# Altium PCB e-puck3-coreboard.PcbDoc (part 4 of 7) (continued)
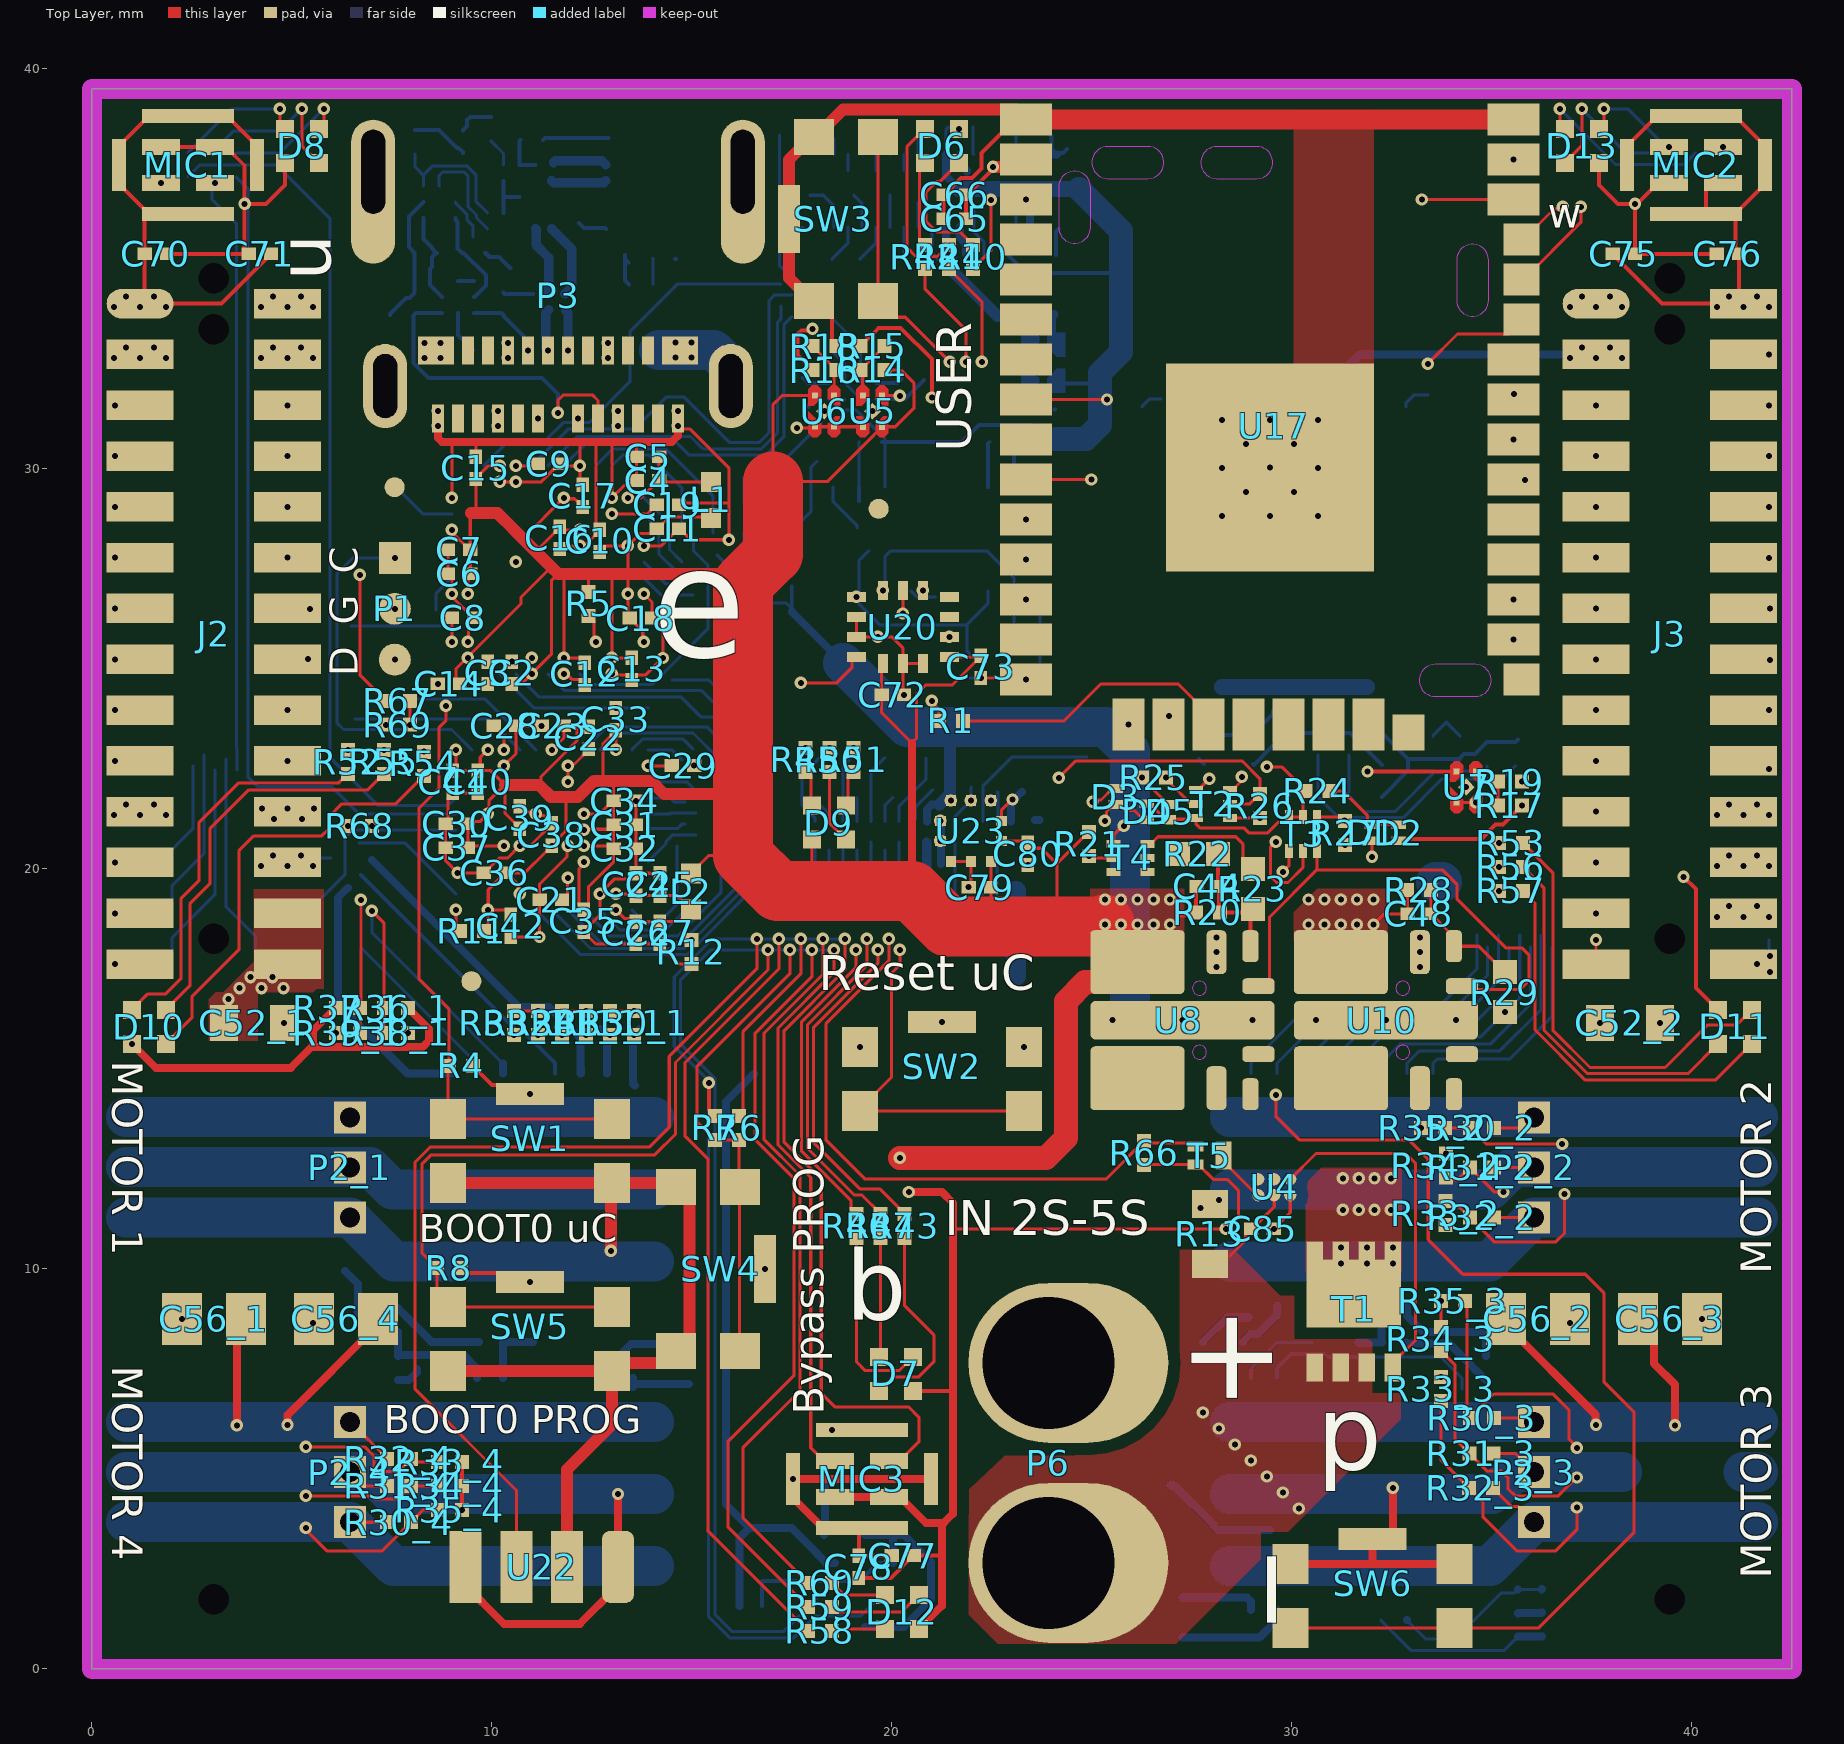
[diagram p0: Top Layer view]
## Nets (pads, with @x,y where several pads share a name; then routed paths per layer and width w, separated by ;. In a path a pad name is that pad's centre, name@x,y a point inside that pad or via, vN(x,y) a via of type N, cw(c..) or ccw(c..) an arc to the next point about the centre after c; other vN are vias at no path point) (continued)
  other v2: 8.25,3.465 8.65,3.465 9.05,3.465 9.45,3.465 9.85,3.465 10.25,3.465 10.646,3.465 31.85,3.465 32.25,3.465 32.65,3.465 33.05,3.465 33.45,3.465 33.85,3.465 34.246,3.465 18.047,4.743 18.647,4.743 18.331,5.15 8.25,5.265 8.65,5.265 9.05,5.265 9.45,5.265 9.85,5.265 10.25,5.265 10.646,5.265 31.85,5.265 32.25,5.265 32.65,5.265 33.05,5.265 33.45,5.265 33.85,5.265 34.246,5.265 18.047,5.543 18.647,5.543 18.047,6.443 18.647,6.443 18.331,6.85 18.047,7.243 18.647,7.243 11.575,7.265 0.55,7.37 1.209,7.37 1.85,7.37 4.233,7.37 4.892,7.37 5.533,7.37 36.95,7.37 37.608,7.37 38.25,7.37 40.633,7.37 41.291,7.37 41.933,7.37 0.85,7.635 1.55,7.635 4.533,7.635 5.233,7.635 37.25,7.635 37.95,7.635 40.933,7.635 41.633,7.635 18.047,8.143 18.647,8.143 18.331,8.55 0.55,8.64 1.209,8.64 1.85,8.64 4.233,8.64 4.892,8.64 5.533,8.64 36.95,8.64 37.608,8.64 38.25,8.64 40.633,8.64 41.291,8.64 41.933,8.64 0.85,8.905 1.55,8.905 4.533,8.905 5.233,8.905 37.25,8.905 37.95,8.905 40.933,8.905 41.633,8.905 18.047,8.943 18.647,8.943 30.925,9.085 18.047,9.878 18.647,9.878 0.55,9.91 1.209,9.91 1.85,9.91 4.233,9.91 4.892,9.91 5.533,9.91 36.95,9.91 37.608,9.91 38.25,9.91 40.633,9.91 41.291,9.91 41.933,9.91 0.85,10.175 1.55,10.175 4.533,10.175 5.233,10.175 37.25,10.175 37.95,10.175 40.933,10.175 41.633,10.175 18.331,10.285 23.266,10.543 23.866,10.543 24.706,10.543 25.306,10.543 18.047,10.678 18.647,10.678 23.55,10.95 24.99,10.95 8.25,11.085 8.65,11.085 9.05,11.085 9.45,11.085 9.85,11.085 10.25,11.085 10.646,11.085 31.85,11.085 32.25,11.085 32.65,11.085 33.05,11.085 33.45,11.085 33.85,11.085 34.246,11.085 23.266,11.343 23.866,11.343 24.706,11.343 25.306,11.343 18.047,11.543 18.647,11.543 18.331,11.95 23.266,12.243 23.866,12.243 24.706,12.243 25.306,12.243 18.047,12.343 18.647,12.343 23.55,12.65 24.99,12.65 8.25,12.885 8.65,12.885 9.05,12.885 9.45,12.885 9.85,12.885 10.25,12.885 10.646,12.885 31.85,12.885 32.25,12.885 32.65,12.885 33.05,12.885 33.45,12.885 33.85,12.885 34.246,12.885 23.266,13.043 23.866,13.043 24.706,13.043 25.306,13.043 18.047,13.243 18.647,13.243 18.331,13.65 23.266,13.943 23.866,13.943 24.706,13.943 25.306,13.943 18.047,14.043 18.647,14.043 23.55,14.35 24.99,14.35 23.266,14.743 23.866,14.743 24.706,14.743 25.306,14.743 6.725,19.85 4.55,21.249 5.25,21.249 0.55,21.336 1.209,21.336 1.85,21.336 4.25,21.514 4.892,21.514 5.55,21.514 0.85,21.601 1.55,21.601 0.55,35.31 1.209,35.31 1.85,35.31 40.633,35.31 41.291,35.31 41.933,35.31 0.85,35.575 1.55,35.575 40.933,35.575 41.633,35.575 13.65,36.8 12.85,37.6
  other v3: 8.25,3.465 8.65,3.465 9.05,3.465 9.45,3.465 9.85,3.465 10.25,3.465 10.646,3.465 32.25,3.465 32.65,3.465 33.05,3.465 33.45,3.465 33.85,3.465 34.246,3.465 18.047,4.743 18.647,4.743 18.331,5.15 8.25,5.265 8.65,5.265 9.05,5.265 9.45,5.265 9.85,5.265 10.25,5.265 31.85,5.265 32.25,5.265 32.65,5.265 33.05,5.265 33.45,5.265 33.85,5.265 34.246,5.265 18.047,5.543 18.647,5.543 18.047,6.443 18.647,6.443 18.331,6.85 18.047,7.243 18.647,7.243 0.55,7.37 1.209,7.37 1.85,7.37 4.233,7.37 4.892,7.37 5.533,7.37 37.608,7.37 38.25,7.37 40.633,7.37 41.933,7.37 0.85,7.635 1.55,7.635 4.533,7.635 5.233,7.635 37.25,7.635 37.95,7.635 40.933,7.635 41.633,7.635 18.047,8.143 18.647,8.143 18.331,8.55 0.55,8.64 1.209,8.64 1.85,8.64 4.233,8.64 4.892,8.64 5.533,8.64 36.95,8.64 37.608,8.64 38.25,8.64 40.633,8.64 41.291,8.64 41.933,8.64 0.85,8.905 1.55,8.905 4.533,8.905 5.233,8.905 37.25,8.905 37.95,8.905 40.933,8.905 41.633,8.905 18.047,8.943 18.647,8.943 18.047,9.878 18.647,9.878 0.55,9.91 1.209,9.91 1.85,9.91 4.233,9.91 4.892,9.91 5.533,9.91 36.95,9.91 37.608,9.91 38.25,9.91 40.633,9.91 41.291,9.91 41.933,9.91 0.85,10.175 1.55,10.175 4.533,10.175 5.233,10.175 37.25,10.175 37.95,10.175 40.933,10.175 41.633,10.175 18.331,10.285 23.266,10.543 23.866,10.543 24.706,10.543 25.306,10.543 18.047,10.678 18.647,10.678 23.55,10.95 24.99,10.95 8.25,11.085 8.65,11.085 9.05,11.085 9.45,11.085 9.85,11.085 10.25,11.085 10.646,11.085 32.25,11.085 32.65,11.085 33.05,11.085 33.45,11.085 33.85,11.085 34.246,11.085 23.266,11.343 23.866,11.343 24.706,11.343 25.306,11.343 18.047,11.543 18.647,11.543 18.331,11.95 23.266,12.243 23.866,12.243 24.706,12.243 25.306,12.243 18.047,12.343 18.647,12.343 23.55,12.65 24.99,12.65 8.25,12.885 8.65,12.885 9.05,12.885 9.45,12.885 9.85,12.885 10.25,12.885 10.646,12.885 31.85,12.885 32.25,12.885 32.65,12.885 33.05,12.885 33.45,12.885 33.85,12.885 34.246,12.885 23.266,13.043 23.866,13.043 24.706,13.043 25.306,13.043 18.047,13.243 18.647,13.243 18.331,13.65 23.266,13.943 23.866,13.943 24.706,13.943 25.306,13.943 18.047,14.043 18.647,14.043 23.55,14.35 24.99,14.35 23.266,14.743 23.866,14.743 24.706,14.743 25.306,14.743 4.55,21.249 5.25,21.249 0.55,21.336 1.209,21.336 1.85,21.336 4.25,21.514 4.892,21.514 5.55,21.514 0.85,21.601 1.55,21.601 0.55,35.31 1.209,35.31 1.85,35.31 40.633,35.31 41.291,35.31 41.933,35.31 0.85,35.575 1.55,35.575 40.933,35.575 41.633,35.575
  other v4: 8.25,3.465 8.65,3.465 9.05,3.465 9.45,3.465 9.85,3.465 10.25,3.465 10.646,3.465 31.85,3.465 32.25,3.465 32.65,3.465 33.05,3.465 33.45,3.465 33.85,3.465 34.246,3.465 18.047,4.743 18.647,4.743 18.331,5.15 8.25,5.265 8.65,5.265 9.05,5.265 9.45,5.265 9.85,5.265 10.25,5.265 10.646,5.265 31.85,5.265 32.25,5.265 32.65,5.265 33.05,5.265 33.45,5.265 33.85,5.265 34.246,5.265 18.047,5.543 18.647,5.543 18.047,6.443 18.647,6.443 18.331,6.85 18.047,7.243 18.647,7.243 0.55,7.37 1.209,7.37 1.85,7.37 4.233,7.37 4.892,7.37 5.533,7.37 36.95,7.37 37.608,7.37 38.25,7.37 40.633,7.37 41.291,7.37 41.933,7.37 0.85,7.635 1.55,7.635 4.533,7.635 5.233,7.635 37.25,7.635 37.95,7.635 40.933,7.635 41.633,7.635 18.047,8.143 18.647,8.143 18.331,8.55 0.55,8.64 1.209,8.64 1.85,8.64 4.233,8.64 4.892,8.64 5.533,8.64 36.95,8.64 37.608,8.64 38.25,8.64 40.633,8.64 41.291,8.64 41.933,8.64 0.85,8.905 1.55,8.905 4.533,8.905 5.233,8.905 37.25,8.905 37.95,8.905 40.933,8.905 41.633,8.905 18.047,8.943 18.647,8.943 18.047,9.878 18.647,9.878 0.55,9.91 1.209,9.91 1.85,9.91 4.233,9.91 4.892,9.91 5.533,9.91 36.95,9.91 37.608,9.91 38.25,9.91 40.633,9.91 41.291,9.91 41.933,9.91 0.85,10.175 1.55,10.175 4.533,10.175 5.233,10.175 37.25,10.175 37.95,10.175 40.933,10.175 41.633,10.175 18.331,10.285 23.266,10.543 23.866,10.543 24.706,10.543 25.306,10.543 18.047,10.678 18.647,10.678 23.55,10.95 24.99,10.95 8.25,11.085 8.65,11.085 9.05,11.085 9.45,11.085 9.85,11.085 10.25,11.085 10.646,11.085 31.85,11.085 32.25,11.085 32.65,11.085 33.05,11.085 33.45,11.085 33.85,11.085 34.246,11.085 23.266,11.343 23.866,11.343 24.706,11.343 25.306,11.343 18.047,11.543 18.647,11.543 18.331,11.95 23.266,12.243 23.866,12.243 24.706,12.243 25.306,12.243 18.047,12.343 18.647,12.343 23.55,12.65 24.99,12.65 8.25,12.885 8.65,12.885 9.05,12.885 9.45,12.885 9.85,12.885 10.25,12.885 10.646,12.885 31.85,12.885 32.25,12.885 32.65,12.885 33.05,12.885 33.45,12.885 33.85,12.885 34.246,12.885 23.266,13.043 23.866,13.043 24.706,13.043 25.306,13.043 18.047,13.243 18.647,13.243 18.331,13.65 23.266,13.943 23.866,13.943 24.706,13.943 25.306,13.943 18.047,14.043 18.647,14.043 23.55,14.35 24.99,14.35 23.266,14.743 23.866,14.743 24.706,14.743 25.306,14.743 6.725,19.85 4.55,21.249 5.25,21.249 0.55,21.336 1.209,21.336 1.85,21.336 4.25,21.514 4.892,21.514 5.55,21.514 0.85,21.601 1.55,21.601 0.55,35.31 1.209,35.31 1.85,35.31 40.633,35.31 41.291,35.31 41.933,35.31 0.85,35.575 1.55,35.575 40.933,35.575 41.633,35.575
  other v5: 8.25,3.465 8.65,3.465 9.05,3.465 9.45,3.465 9.85,3.465 10.25,3.465 10.646,3.465 31.85,3.465 32.25,3.465 32.65,3.465 33.05,3.465 33.45,3.465 33.85,3.465 34.246,3.465 18.047,4.743 18.647,4.743 18.331,5.15 8.25,5.265 8.65,5.265 9.05,5.265 9.45,5.265 9.85,5.265 10.25,5.265 10.646,5.265 31.85,5.265 32.25,5.265 32.65,5.265 33.05,5.265 33.45,5.265 33.85,5.265 34.246,5.265 18.047,5.543 18.647,5.543 18.047,6.443 18.647,6.443 18.331,6.85 18.047,7.243 18.647,7.243 0.55,7.37 1.209,7.37 1.85,7.37 4.233,7.37 4.892,7.37 5.533,7.37 36.95,7.37 37.608,7.37 38.25,7.37 40.633,7.37 41.291,7.37 41.933,7.37 0.85,7.635 1.55,7.635 4.533,7.635 5.233,7.635 37.25,7.635 37.95,7.635 40.933,7.635 41.633,7.635 18.047,8.143 18.647,8.143 18.331,8.55 0.55,8.64 1.209,8.64 1.85,8.64 4.233,8.64 4.892,8.64 5.533,8.64 36.95,8.64 37.608,8.64 38.25,8.64 40.633,8.64 41.291,8.64 41.933,8.64 0.85,8.905 1.55,8.905 4.533,8.905 5.233,8.905 37.25,8.905 37.95,8.905 40.933,8.905 41.633,8.905 18.047,8.943 18.647,8.943 18.047,9.878 18.647,9.878 0.55,9.91 1.209,9.91 1.85,9.91 4.233,9.91 4.892,9.91 5.533,9.91 36.95,9.91 37.608,9.91 38.25,9.91 40.633,9.91 41.291,9.91 41.933,9.91 0.85,10.175 1.55,10.175 4.533,10.175 5.233,10.175 37.25,10.175 37.95,10.175 40.933,10.175 41.633,10.175 18.331,10.285 23.266,10.543 23.866,10.543 24.706,10.543 25.306,10.543 18.047,10.678 18.647,10.678 23.55,10.95 24.99,10.95 8.25,11.085 8.65,11.085 9.05,11.085 9.45,11.085 9.85,11.085 10.25,11.085 10.646,11.085 31.85,11.085 32.25,11.085 32.65,11.085 33.05,11.085 33.45,11.085 33.85,11.085 34.246,11.085 23.266,11.343 23.866,11.343 24.706,11.343 25.306,11.343 18.047,11.543 18.647,11.543 18.331,11.95 23.266,12.243 23.866,12.243 24.706,12.243 25.306,12.243 18.047,12.343 18.647,12.343 23.55,12.65 24.99,12.65 8.25,12.885 8.65,12.885 9.05,12.885 9.45,12.885 9.85,12.885 10.25,12.885 10.646,12.885 31.85,12.885 32.25,12.885 32.65,12.885 33.05,12.885 33.45,12.885 33.85,12.885 34.246,12.885 23.266,13.043 23.866,13.043 24.706,13.043 25.306,13.043 18.047,13.243 18.647,13.243 18.331,13.65 23.266,13.943 23.866,13.943 24.706,13.943 25.306,13.943 18.047,14.043 18.647,14.043 23.55,14.35 24.99,14.35 23.266,14.743 23.866,14.743 24.706,14.743 25.306,14.743 6.725,19.85 4.55,21.249 5.25,21.249 0.55,21.336 1.209,21.336 1.85,21.336 4.25,21.514 4.892,21.514 5.55,21.514 0.85,21.601 1.55,21.601 0.55,35.31 1.209,35.31 1.85,35.31 40.633,35.31 41.291,35.31 41.933,35.31 0.85,35.575 1.55,35.575 40.933,35.575 41.633,35.575
  other v6: 8.25,3.465 8.65,3.465 9.05,3.465 9.45,3.465 9.85,3.465 10.25,3.465 10.646,3.465 31.85,3.465 32.25,3.465 32.65,3.465 33.05,3.465 33.45,3.465 33.85,3.465 34.246,3.465 18.047,4.743 18.647,4.743 18.331,5.15 8.25,5.265 8.65,5.265 9.05,5.265 9.45,5.265 9.85,5.265 10.25,5.265 10.646,5.265 31.85,5.265 32.25,5.265 32.65,5.265 33.05,5.265 33.45,5.265 33.85,5.265 34.246,5.265 18.047,5.543 18.647,5.543 18.047,6.443 18.647,6.443 18.331,6.85 18.047,7.243 18.647,7.243 0.55,7.37 1.209,7.37 1.85,7.37 4.233,7.37 4.892,7.37 5.533,7.37 36.95,7.37 37.608,7.37 38.25,7.37 40.633,7.37 41.291,7.37 41.933,7.37 0.85,7.635 1.55,7.635 4.533,7.635 5.233,7.635 37.25,7.635 37.95,7.635 40.933,7.635 41.633,7.635 18.047,8.143 18.647,8.143 18.331,8.55 0.55,8.64 1.209,8.64 1.85,8.64 4.233,8.64 4.892,8.64 5.533,8.64 36.95,8.64 37.608,8.64 38.25,8.64 40.633,8.64 41.291,8.64 41.933,8.64 0.85,8.905 1.55,8.905 4.533,8.905 5.233,8.905 37.25,8.905 37.95,8.905 40.933,8.905 41.633,8.905 18.047,8.943 18.647,8.943 18.047,9.878 18.647,9.878 0.55,9.91 1.209,9.91 1.85,9.91 4.233,9.91 4.892,9.91 5.533,9.91 36.95,9.91 37.608,9.91 38.25,9.91 40.633,9.91 41.291,9.91 41.933,9.91 0.85,10.175 1.55,10.175 4.533,10.175 5.233,10.175 37.25,10.175 37.95,10.175 40.933,10.175 41.633,10.175 18.331,10.285 23.266,10.543 23.866,10.543 24.706,10.543 25.306,10.543 18.047,10.678 18.647,10.678 23.55,10.95 24.99,10.95 8.25,11.085 8.65,11.085 9.05,11.085 9.45,11.085 9.85,11.085 10.25,11.085 10.646,11.085 31.85,11.085 32.25,11.085 32.65,11.085 33.05,11.085 33.45,11.085 33.85,11.085 34.246,11.085 23.266,11.343 23.866,11.343 24.706,11.343 25.306,11.343 18.047,11.543 18.647,11.543 18.331,11.95 23.266,12.243 23.866,12.243 24.706,12.243 25.306,12.243 18.047,12.343 18.647,12.343 23.55,12.65 24.99,12.65 8.25,12.885 8.65,12.885 9.05,12.885 9.45,12.885 9.85,12.885 10.25,12.885 10.646,12.885 31.85,12.885 32.25,12.885 32.65,12.885 33.05,12.885 33.45,12.885 33.85,12.885 34.246,12.885 23.266,13.043 23.866,13.043 24.706,13.043 25.306,13.043 18.047,13.243 18.647,13.243 18.331,13.65 23.266,13.943 23.866,13.943 24.706,13.943 25.306,13.943 18.047,14.043 18.647,14.043 23.55,14.35 24.99,14.35 23.266,14.743 23.866,14.743 24.706,14.743 25.306,14.743 6.725,19.85 4.55,21.249 5.25,21.249 0.55,21.336 1.209,21.336 1.85,21.336 4.25,21.514 4.892,21.514 5.55,21.514 0.85,21.601 1.55,21.601 0.55,35.31 1.209,35.31 1.85,35.31 40.633,35.31 41.291,35.31 41.933,35.31 0.85,35.575 1.55,35.575 40.933,35.575 41.633,35.575
  other v7: 8.25,3.465 8.65,3.465 9.05,3.465 9.45,3.465 9.85,3.465 10.25,3.465 10.646,3.465 31.85,3.465 32.25,3.465 32.65,3.465 33.05,3.465 33.45,3.465 33.85,3.465 34.246,3.465 18.047,4.743 18.647,4.743 8.25,5.265 8.65,5.265 9.05,5.265 9.45,5.265 9.85,5.265 10.25,5.265 10.646,5.265 31.85,5.265 32.25,5.265 32.65,5.265 33.05,5.265 33.45,5.265 33.85,5.265 34.246,5.265 18.047,5.543 18.647,5.543 18.047,6.443 18.647,6.443 18.331,6.85 18.047,7.243 18.647,7.243 0.55,7.37 1.209,7.37 1.85,7.37 4.233,7.37 4.892,7.37 5.533,7.37 36.95,7.37 37.608,7.37 38.25,7.37 40.633,7.37 41.291,7.37 41.933,7.37 0.85,7.635 1.55,7.635 4.533,7.635 5.233,7.635 37.25,7.635 37.95,7.635 40.933,7.635 41.633,7.635 18.047,8.143 18.647,8.143 18.331,8.55 0.55,8.64 1.209,8.64 1.85,8.64 4.233,8.64 4.892,8.64 5.533,8.64 36.95,8.64 37.608,8.64 38.25,8.64 40.633,8.64 41.291,8.64 41.933,8.64 0.85,8.905 1.55,8.905 4.533,8.905 5.233,8.905 37.25,8.905 37.95,8.905 40.933,8.905 41.633,8.905 18.047,8.943 18.647,8.943 18.047,9.878 18.647,9.878 0.55,9.91 1.209,9.91 1.85,9.91 4.233,9.91 4.892,9.91 5.533,9.91 36.95,9.91 37.608,9.91 38.25,9.91 40.633,9.91 41.291,9.91 41.933,9.91 0.85,10.175 1.55,10.175 4.533,10.175 5.233,10.175 37.25,10.175 37.95,10.175 40.933,10.175 41.633,10.175 18.331,10.285 23.266,10.543 23.866,10.543 24.706,10.543 25.306,10.543 18.047,10.678 18.647,10.678 23.55,10.95 24.99,10.95 8.25,11.085 8.65,11.085 9.05,11.085 9.45,11.085 9.85,11.085 10.25,11.085 10.646,11.085 31.85,11.085 32.25,11.085 32.65,11.085 33.05,11.085 33.45,11.085 33.85,11.085 34.246,11.085 23.266,11.343 23.866,11.343 24.706,11.343 25.306,11.343 18.047,11.543 18.647,11.543 18.331,11.95 23.266,12.243 23.866,12.243 24.706,12.243 25.306,12.243 18.047,12.343 18.647,12.343 23.55,12.65 24.99,12.65 8.25,12.885 8.65,12.885 9.05,12.885 9.45,12.885 9.85,12.885 10.25,12.885 10.646,12.885 31.85,12.885 32.25,12.885 32.65,12.885 33.05,12.885 33.45,12.885 33.85,12.885 34.246,12.885 23.266,13.043 23.866,13.043 24.706,13.043 25.306,13.043 18.047,13.243 18.647,13.243 18.331,13.65 23.266,13.943 23.866,13.943 24.706,13.943 25.306,13.943 18.047,14.043 18.647,14.043 23.55,14.35 24.99,14.35 23.266,14.743 23.866,14.743 24.706,14.743 25.306,14.743 6.725,19.85 4.55,21.249 5.25,21.249 4.25,21.514 4.892,21.514 5.55,21.514 0.55,35.31 1.209,35.31 1.85,35.31 40.633,35.31 41.291,35.31 41.933,35.31 0.85,35.575 1.55,35.575 40.933,35.575 41.633,35.575
  other v8: 8.25,3.465 8.65,3.465 9.05,3.465 9.45,3.465 9.85,3.465 10.25,3.465 10.646,3.465 31.85,3.465 32.25,3.465 32.65,3.465 33.05,3.465 33.45,3.465 33.85,3.465 34.246,3.465 18.047,4.743 18.647,4.743 18.331,5.15 8.25,5.265 8.65,5.265 9.05,5.265 9.45,5.265 9.85,5.265 10.25,5.265 10.646,5.265 31.85,5.265 32.25,5.265 32.65,5.265 33.05,5.265 33.45,5.265 33.85,5.265 34.246,5.265 18.047,5.543 18.647,5.543 18.047,6.443 18.647,6.443 18.331,6.85 18.047,7.243 18.647,7.243 0.55,7.37 1.209,7.37 1.85,7.37 4.233,7.37 4.892,7.37 5.533,7.37 36.95,7.37 37.608,7.37 38.25,7.37 40.633,7.37 41.291,7.37 41.933,7.37 0.85,7.635 1.55,7.635 4.533,7.635 5.233,7.635 37.25,7.635 37.95,7.635 40.933,7.635 41.633,7.635 18.047,8.143 18.647,8.143 18.331,8.55 0.55,8.64 1.209,8.64 1.85,8.64 4.233,8.64 4.892,8.64 36.95,8.64 37.608,8.64 38.25,8.64 40.633,8.64 41.291,8.64 41.933,8.64 0.85,8.905 1.55,8.905 4.533,8.905 5.233,8.905 37.25,8.905 37.95,8.905 40.933,8.905 41.633,8.905 18.047,8.943 18.647,8.943 18.047,9.878 18.647,9.878 0.55,9.91 1.209,9.91 1.85,9.91 4.233,9.91 4.892,9.91 5.533,9.91 36.95,9.91 37.608,9.91 38.25,9.91 40.633,9.91 41.291,9.91 41.933,9.91 0.85,10.175 1.55,10.175 4.533,10.175 5.233,10.175 37.25,10.175 37.95,10.175 40.933,10.175 41.633,10.175 18.331,10.285 23.266,10.543 23.866,10.543 24.706,10.543 25.306,10.543 18.047,10.678 18.647,10.678 23.55,10.95 24.99,10.95 8.25,11.085 8.65,11.085 9.05,11.085 9.45,11.085 9.85,11.085 10.25,11.085 10.646,11.085 31.85,11.085 32.25,11.085 32.65,11.085 33.05,11.085 33.45,11.085 33.85,11.085 34.246,11.085 23.266,11.343 23.866,11.343 24.706,11.343 25.306,11.343 18.047,11.543 18.647,11.543 18.331,11.95 23.266,12.243 23.866,12.243 24.706,12.243 25.306,12.243 18.047,12.343 18.647,12.343 23.55,12.65 24.99,12.65 8.25,12.885 8.65,12.885 9.05,12.885 9.45,12.885 9.85,12.885 10.25,12.885 10.646,12.885 31.85,12.885 32.25,12.885 32.65,12.885 33.05,12.885 33.45,12.885 33.85,12.885 34.246,12.885 23.266,13.043 23.866,13.043 24.706,13.043 25.306,13.043 18.047,13.243 18.647,13.243 18.331,13.65 23.266,13.943 23.866,13.943 24.706,13.943 25.306,13.943 18.047,14.043 18.647,14.043 23.55,14.35 24.99,14.35 23.266,14.743 23.866,14.743 24.706,14.743 25.306,14.743 6.725,19.85 4.55,21.249 5.25,21.249 4.25,21.514 4.892,21.514 5.55,21.514 0.55,35.31 1.209,35.31 1.85,35.31 40.633,35.31 41.291,35.31 41.933,35.31 0.85,35.575 1.55,35.575 40.933,35.575 41.633,35.575
  other v9: 18.5,5.975 33.725,7.3 5.533,8.64 36.95,8.64 2.25,8.75 40.25,8.75 16.825,10 31.225,10.133 31.875,10.133 32.525,10.133 31.225,10.533 31.875,10.533 32.525,10.533 33.85,11.085 31.273,11.475 31.673,11.475 32.066,11.475 32.473,11.475 27.72,11.525 28.18,11.725 31.273,12.263 31.673,12.263 32.066,12.263 32.473,12.263 33.85,12.885 33.225,13.525 19.2,15.55 23.3,15.55 10.55,15.85 11.75,15.85 12.95,15.85 6.1,15.9 7.9,15.9 21.25,16.175 25.515,16.215 27.265,16.215 29.015,16.215 30.6,16.215 32.35,16.215 34.1,16.215 35.325,16.415 40.633,18.8 41.291,18.8 41.933,18.8 40.933,19.065 41.633,19.065 4.233,20.07 4.892,20.07 5.533,20.07 40.633,20.07 41.291,20.07 41.933,20.07 23.4,20.095 4.533,20.335 5.233,20.335 40.933,20.335 41.633,20.335 27.15,20.375 4.55,21.249 5.25,21.249 0.55,21.34 1.209,21.34 1.85,21.34 40.633,21.34 41.291,21.34 41.933,21.34 4.25,21.514 4.892,21.514 5.55,21.514 0.85,21.605 1.55,21.605 40.933,21.605 41.633,21.605 22.475,21.712 34.36,22.045 35.753,22.18 26.254,22.288 7.575,26.5 28.25,28.825 29.45,28.825 30.65,28.825 28.85,29.425 30.05,29.425 28.25,30.025 29.455,30.035 30.65,30.025 28.85,30.625 30.05,30.625 28.25,31.225 29.45,31.225 30.65,31.225 18.315,31.442 19.514,31.441
  other v11: 8.32,32.765 8.72,32.765 0.55,32.77 1.209,32.77 1.85,32.77 14.59,32.78 14.99,32.78 0.85,33.035 1.55,33.035 8.32,33.14 8.72,33.14 14.59,33.155 14.99,33.155 0.55,34.04 1.209,34.04 1.85,34.04 40.633,34.04 41.291,34.04 41.933,34.04 0.85,34.305 1.55,34.305 40.933,34.305 41.633,34.305
  other v13: 10.6,27.675
  other v14: 11,25.275
  other v15: 14.65,31.075 8.65,31.45 14.65,31.45
GPIOs_ESP32.EN_ESP32_1: R74.1 U3.A9 U17.3 | length 49.1
  Bot Mid Layer 2 w0.077: v6(27.35,36.2) 29.325,36.2 32.825,32.7 v3(32.825,22.15)
  Bot Mid Layer 1 w0.077: v2(9.1,19.775) 8.836,19.511 8.836,18.866 9.611,18.091 16.377,18.091 17.686,19.4 21.675,19.4 22.175,18.9 28.707,18.9 30.061,20.254 30.697,20.254 32.593,22.15 v3(32.825,22.15)
  Top Mid Layer 2 w0.077: v9(23.36,36.73) 26.82,36.73 v6(27.35,36.2)
  other v1: 9.1,19.775 27.35,36.2
  other v2: 27.35,36.2
  other v3: 27.35,36.2
  other v4: 27.35,36.2
  other v5: 27.35,36.2
  other v7: 23.36,36.73
  other v8: 23.36,36.73
GPIOs_ESP32.GPIO0_ESP32_1: U3.B9 U17.25 | length 31.7
  Bot Mid Layer 2 w0.077: v3(34.8,23.675) 35.375,24.25 35.375,25.565 v9(35.54,25.73)
  Bot Mid Layer 1 w0.077: v2(9.5,19.775) 9.182,19.457 9.182,19.293 10.229,18.245 16.313,18.245 17.668,19.6 22.275,19.6 22.75,19.125 28.714,19.125 29.997,20.408 30.383,20.408 33.65,23.675 v3(34.8,23.675)
  other v1: 9.5,19.775
  other v4: 35.54,25.73
  other v5: 35.54,25.73
  other v6: 35.54,25.73
  other v7: 35.54,25.73
  other v8: 35.54,25.73
GPIOs_ESP32.IO4_ESP32_1: U3.C10 U17.26 | length 30.9
  Bot Mid Layer 2 w0.077: v3(34.475,23.95) 35.05,24.525 35.05,26.24 v4(35.54,26.73)
  Bot Mid Layer 1 w0.077: v2(9.9,19.375) 10.876,18.399 16.25,18.399 17.625,19.775 22.85,19.775 23.275,19.35 28.722,19.35 30.254,20.883 30.411,20.883 33.478,23.95 v3(34.475,23.95)
  other v1: 9.9,19.375
  other v5: 35.54,26.73
  other v6: 35.54,26.73
  other v7: 35.54,26.73
  other v8: 35.54,26.73
  other v9: 35.54,26.73
GPIOs_ESP32.IO13_ESP32_1: U3.F11 U17.16 | length 19.2
  Bot Mid Layer 2 w0.077: v3(16.85,21.5) 16.85,21.95 17.85,22.95 v4(17.85,23.45)
  Top Mid Layer 2 w0.077: v4(17.85,23.45) 17.879,23.479 23.354,23.479 23.485,23.61 v9(25.92,23.61)
  Bottom Layer w0.077: U3.F11@11.1,18.975 12.22,17.855 14.879,17.855 16.85,19.826 v3(16.85,21.5)
  other v1: 16.85,21.5
  other v2: 16.85,21.5
  other v5: 17.85,23.45
  other v6: 17.85,23.45
  other v7: 25.92,23.61
  other v8: 25.92,23.61
HUB_CONNECT_1: R68.2 U3.E9 U16.B5 | length 25.7
  Top Mid Layer 1 w0.077: v9(6.4,21.075) 5.725,21.75 5.725,29.875 6.475,30.625 6.475,35.025 8.975,37.525 9.568,37.525 v3(9.893,37.2)
  Bot Mid Layer 2 w0.077: v9(6.4,21.075) 6.775,21.075 7.375,20.475 7.375,20.236 8.9,18.711 10.412,18.711 10.963,19.263 10.963,19.511 v3(10.7,19.775)
  other v1: 10.7,19.775 9.893,37.2
  other v2: 10.7,19.775 9.893,37.2
  other v4: 6.4,21.075 9.893,37.2
  other v5: 6.4,21.075 9.893,37.2
  other v6: 6.4,21.075 9.893,37.2
  other v7: 6.4,21.075 9.893,37.2
  other v8: 6.4,21.075
I2C1.SCL_1: J2.6 J4.50 R3.2 U1.B9 U18.10 | length 47.4
  Bot Mid Layer 2 w0.077: v4(3.1,24.825) 7.543,24.825 7.918,24.45 9.4,24.45 9.547,24.303 11.653,24.303 12.063,24.713 12.063,25.077 12.2,25.214 v3(12.2,25.275) ; v3(31.425,22.85) v3(31.425,25.958)
  Bot Mid Layer 1 w0.077: v3(12.2,25.275) 12.178,25.253 12.178,24.7 12.425,24.453 13.387,24.453 14.893,25.96 31.423,25.96 v3(31.425,25.958)
  Top Mid Layer 2 w0.077: v6(3.1,31.585) 4.888,31.585 v9(4.892,31.589)
  Bot Mid Layer 3 w0.077: v6(3.1,31.585) v4(3.1,24.825) v4@3.146,24.871
  Bottom Layer w0.077: v3(31.425,22.85) 31.425,21.825 U18.10@31.45,21.8 31.815,21.434 32.584,21.434 33.6,22.45 34.875,22.45 R3.2@34.875,22.575
  other v1: 31.425,22.85 12.2,25.275 4.892,31.589
  other v2: 31.425,22.85 12.2,25.275 4.892,31.589
  other v3: 4.892,31.589
  other v4: 4.892,31.589
  other v5: 3.1,31.585 4.892,31.589
  other v6: 4.892,31.589
  other v7: 4.892,31.589
  other v8: 4.892,31.589
I2C1.SDA_1: J2.8 J4.48 R2.2 U1.C8 U18.9 | length 46.1
  Bot Mid Layer 2 w0.077: v4(3.4,25.15) 4.325,25.15 4.493,24.982 7.843,24.982 8.214,24.611 9.864,24.611 10.018,24.457 11.332,24.457 11.536,24.662 11.536,25.384 11.8,25.648 v3(11.8,25.675) ; v3(30.65,22.85) v4(30.65,25.45)
  Top Mid Layer 2 w0.077: v6(3.4,30.319) v9(4.892,30.319)
  Bot Mid Layer 3 w0.077: v4(3.4,25.15) v6(3.4,30.319) ; v3(11.8,25.675) 12.064,25.411 12.064,24.836 12.443,24.457 13.858,24.457 14.984,25.584 18.513,25.584 19.014,25.082 30.282,25.082 v4(30.65,25.45)
  Bottom Layer w0.077: v3(30.65,22.85) U18.9@30.65,21.8 31.169,21.28 32.784,21.28 33.753,22.25 35.265,22.25 R2.2@35.59,22.575
  other v1: 30.65,22.85 11.8,25.675 4.892,30.319
  other v2: 30.65,22.85 11.8,25.675 4.892,30.319
  other v3: 4.892,30.319
  other v4: 11.8,25.675 4.892,30.319
  other v5: 3.4,30.319 4.892,30.319
  other v6: 4.892,30.319
  other v7: 4.892,30.319
  other v8: 4.892,30.319
I2C2.SCL_1: J2.10 J4.46 U1.G12 | length 12.6
  Bot Mid Layer 2 w0.077: v9(4.892,29.049) 6.5,30.658 12.535,30.658 14.063,29.129 14.063,27.938 v3(13.4,27.275)
  other v1: 13.4,27.275 4.892,29.049
  other v2: 13.4,27.275 4.892,29.049
  other v3: 4.892,29.049
  other v4: 4.892,29.049
  other v5: 4.892,29.049
  other v6: 4.892,29.049
  other v7: 4.892,29.049
  other v8: 4.892,29.049
I2C2.SDA_1: J2.12 J4.44 U1.N11 | length 10.3
  Bot Mid Layer 2 w0.077: v9(4.892,27.779) 5.604,27.779 6.321,28.496 6.321,29.371 7.454,30.504 12.472,30.504 13,29.975 v3(13,29.675)
  other v1: 4.892,27.779 13,29.675
  other v2: 4.892,27.779 13,29.675
  other v3: 4.892,27.779
  other v4: 4.892,27.779
  other v5: 4.892,27.779
  other v6: 4.892,27.779
  other v7: 4.892,27.779
  other v8: 4.892,27.779
I2C_USB.SCL_1: R65.2 U3.L6 U12.B3 U16.E5 | length 36.9
  Bot Mid Layer 2 w0.077: v4(3.675,24.303) 6.818,24.303 7.176,23.946 7.586,23.946 7.975,23.558 12.014,23.558 12.329,23.243 13.807,23.243 14.3,22.75 14.3,22.175 v3(13.1,20.975) ; v4(3.675,31.9) 3.657,31.918 3.657,36.479 6.278,39.1 8.075,39.1 8.689,38.486 v3(8.689,37.075)
  Bot Mid Layer 1 w0.077: v2(8.675,37.875) 8.682,37.868 8.682,37.082 v3(8.689,37.075)
  Bot Mid Layer 3 w0.077: v4(3.675,24.303) v4(3.675,31.9)
  Bottom Layer w0.077: v3(8.689,37.075) 8.682,37.082 8.682,37.332 8.77,37.42 9.308,37.42 9.4,37.328 9.4,36.56 9.615,36.345 9.615,36.278 U16.E5@9.893,36
  other v1: 13.1,20.975 8.689,37.075 8.675,37.875
  other v2: 13.1,20.975 8.689,37.075